# Altium PCB PCB.pcbdoc
Units mm, origin at the board's own origin, x right, y up, seen from the top; angles counter-clockwise.
Board outline 280.87 x 238.64 mm, 2 copper layers (Top Layer, Bottom Layer); 57 components, 45 nets, 129 pads, 6 vias.
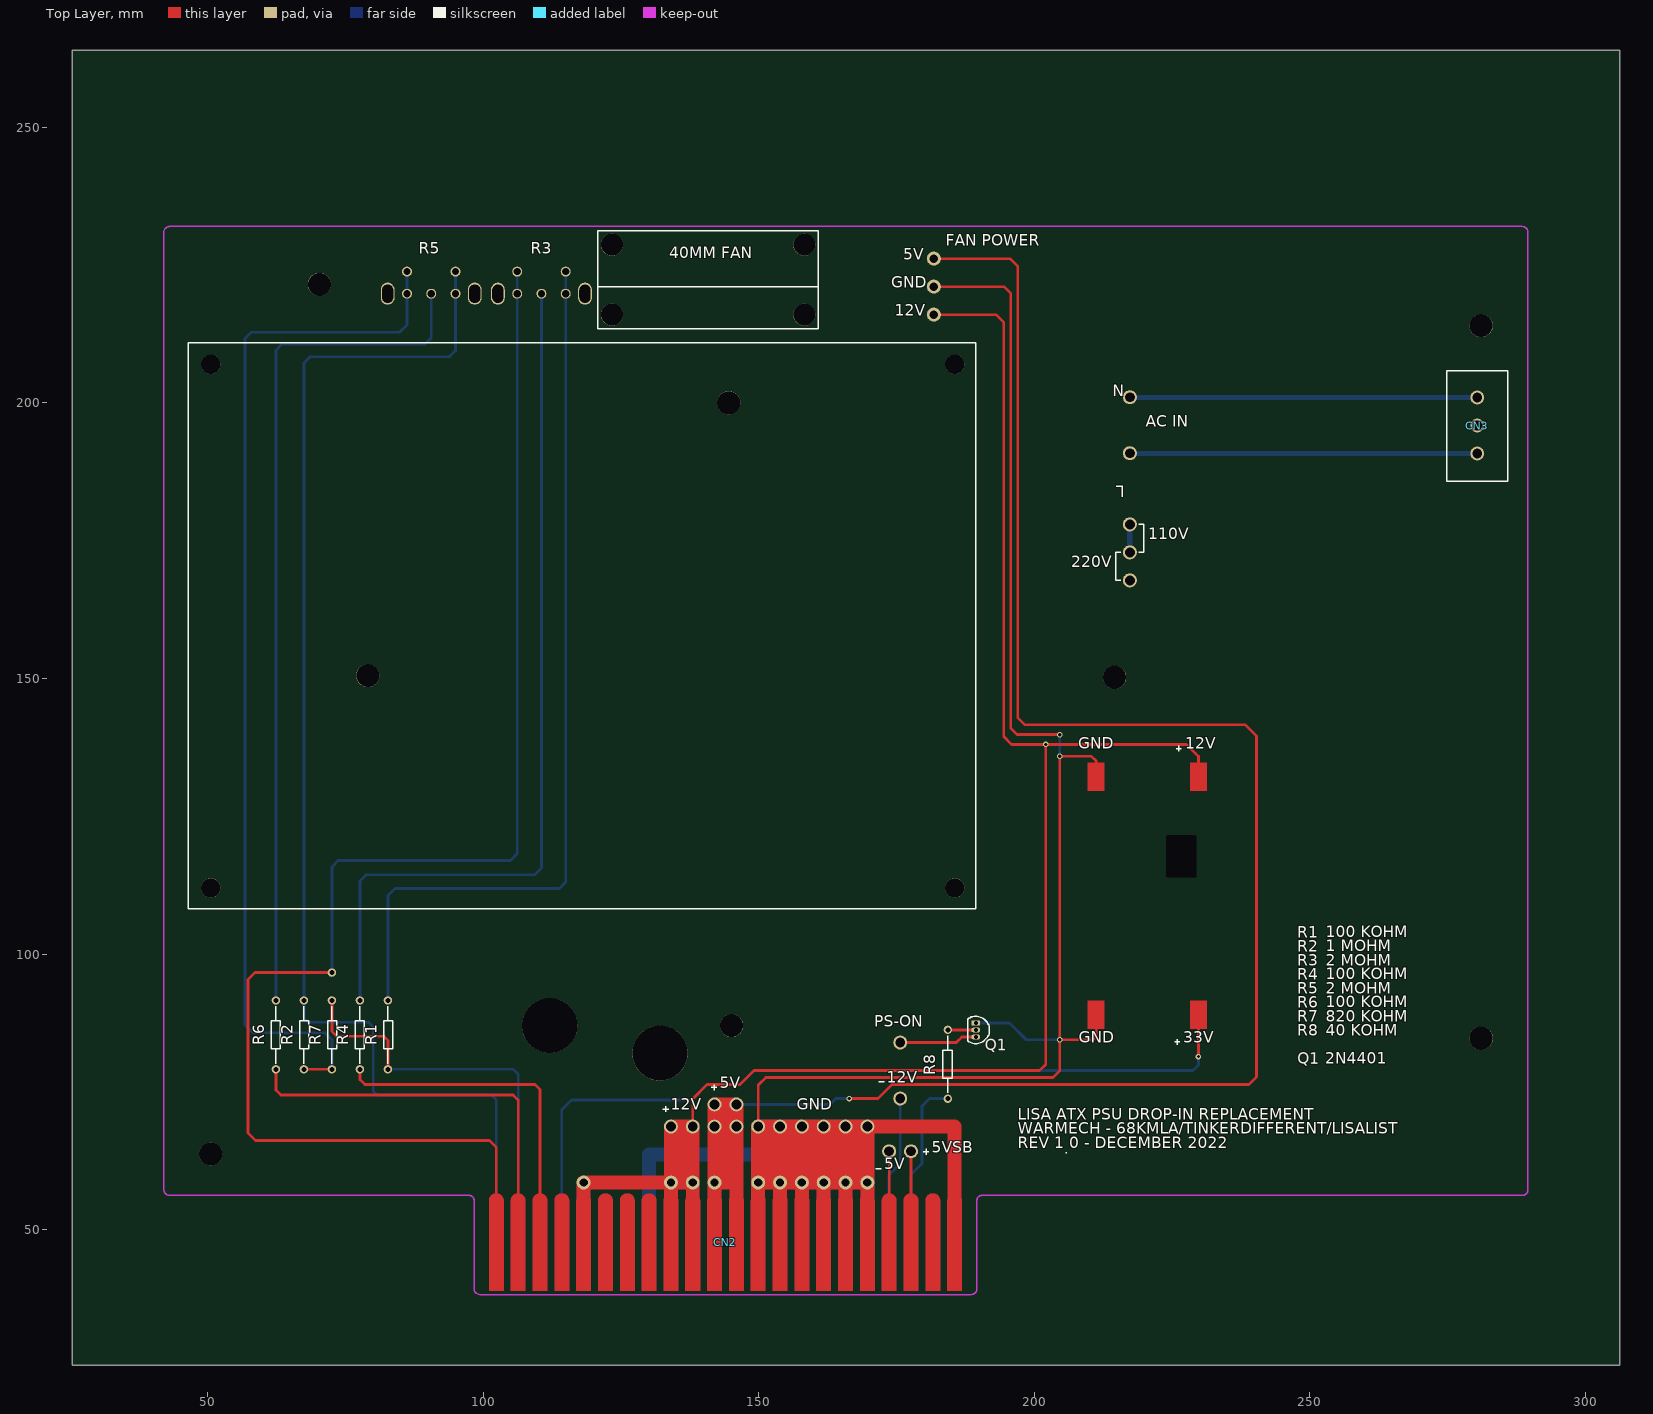
[diagram p0: Top Layer view]
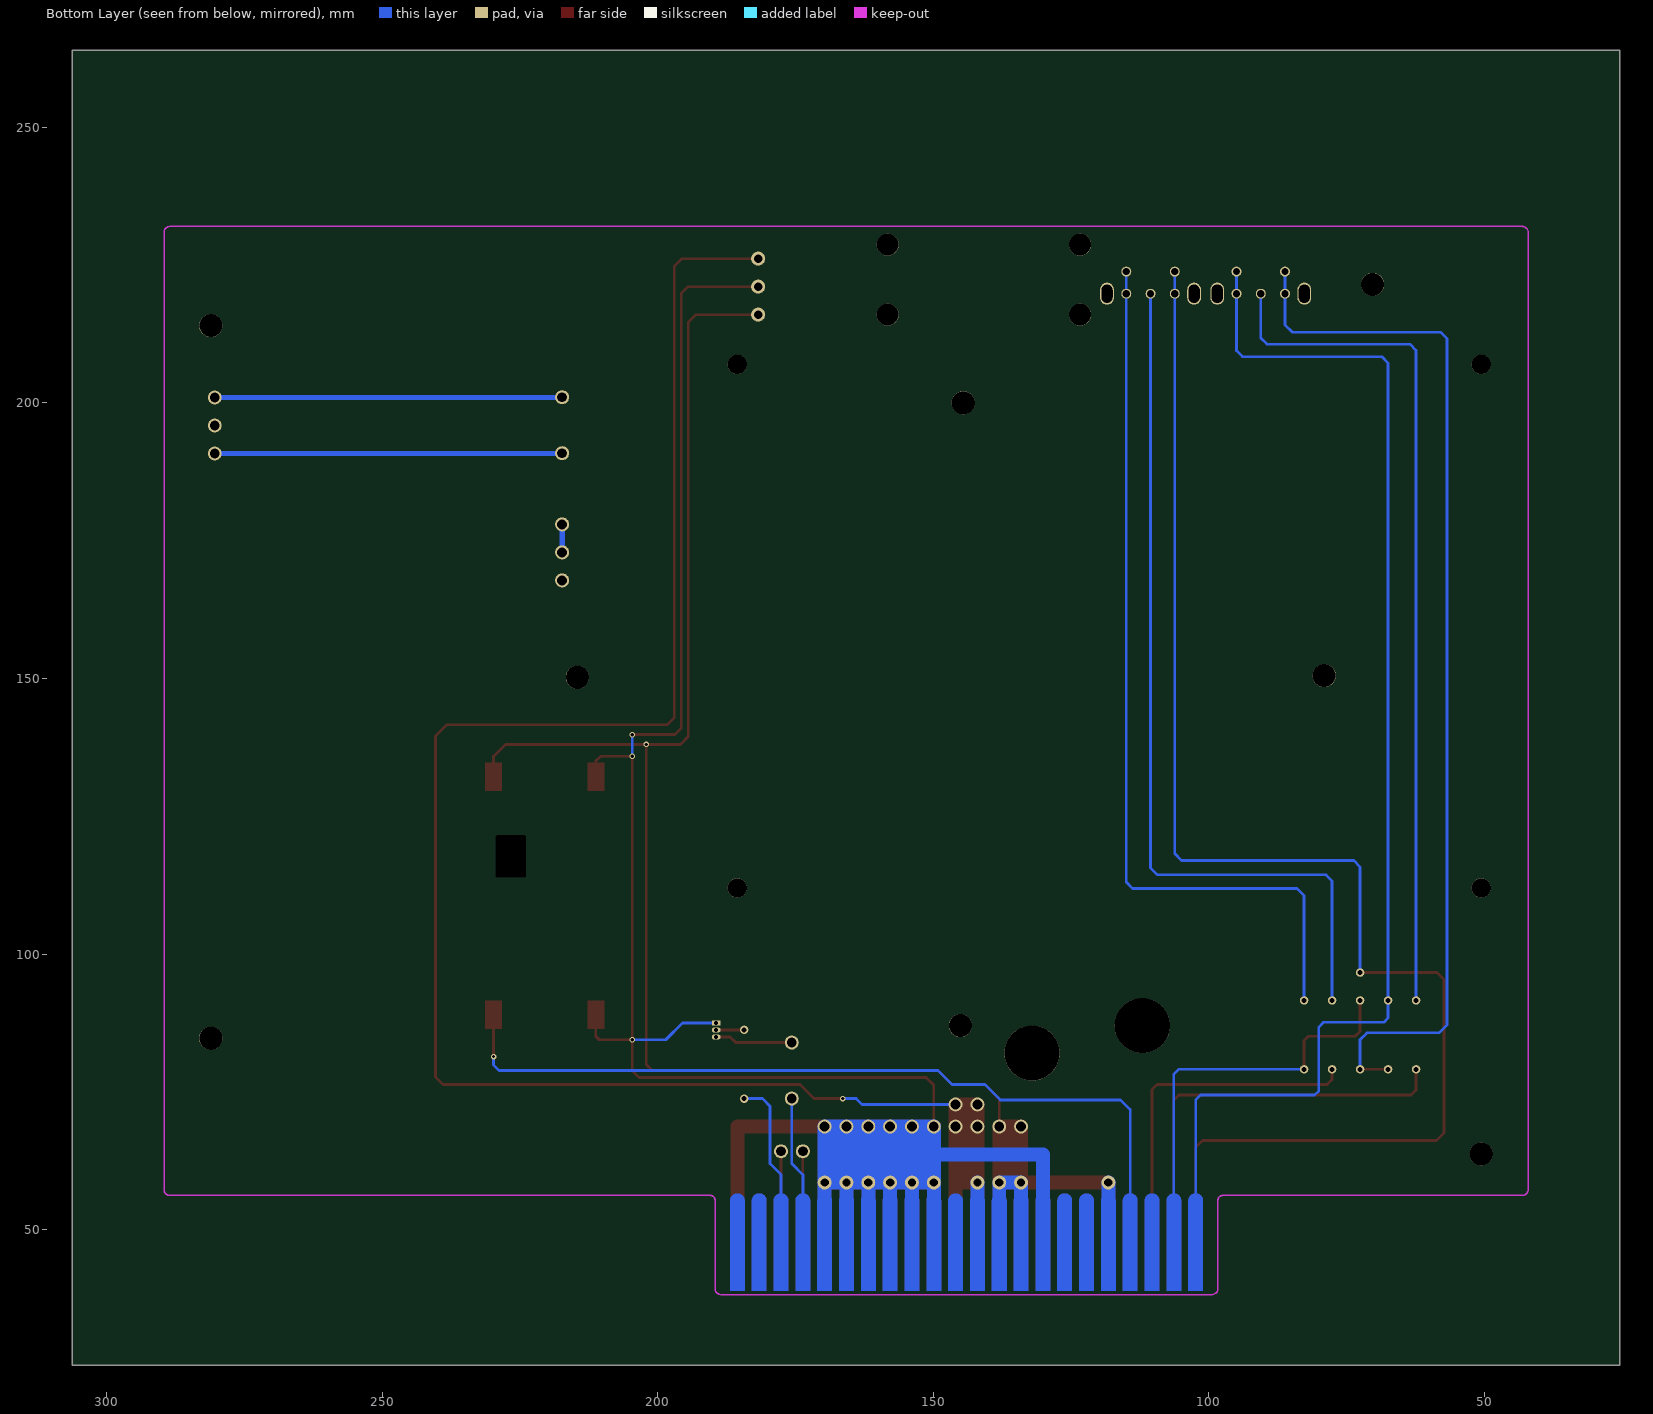
[diagram p1: Bottom Layer view, seen from below]

## Layer stack, top to bottom
Top Layer: signal copper (thickness not stored)
Dielectric: dielectric 0.32, FR-4, Dk 4.8
Bottom Layer: signal copper (thickness not stored)

## Board outline
306.273,25.4 25.4,25.4 25.4,264.043 306.273,264.043
cut-out: 229.396,114.173 cw(c229.146,114.173) 229.146,113.923 224.193,113.923 cw(c224.193,114.173) 223.943,114.173 223.943,121.285 cw(c224.193,121.285) 224.193,121.535 229.146,121.535 cw(c229.146,121.285) 229.396,121.285 229.396,114.173

## Components (designator, comment, footprint, x,y, rotation, side; value= is the part's Value field where it differs from the comment)
CN2 "EDGE CONNECTOR" LISA_PSU_EDGE_CONNECTOR 101.07,38.927 r0 top
CN3 "AC IN" LISA_PSU_AC_IN 280.375,195.907 r90 top
Q1 "2N4401" TO-92-3_L4.9-W3.7-P1.27-L 189.395,86.233 r270 top
R1 "100K" LISA_RESISTOR 82.715,85.344 r270 top
R2 "1M" LISA_RESISTOR 67.475,85.344 r270 top
R3 "FOCUS" LISA_CRT_POT 110.576,221.826 r0 top
R4 "100K" LISA_RESISTOR 77.635,85.344 r90 top
R5 "BRIGHT" LISA_CRT_POT 90.574,221.826 r0 top
R6 "100K" LISA_RESISTOR 62.395,85.344 r90 top
R7 "820K" LISA_RESISTOR 72.555,85.344 r270 top
R8 "40K" LISA_RESISTOR 184.315,80.01 r90 top
? "" ? 56.175,227.788 r0 top
? "" ? 75.089,226.779 r0 top
? "" ? 93.325,216.054 r0 top
? "" ? 149.134,216.029 r0 top
? "" ? 251.971,169.456 r0 top
? "" ? 217.464,191.129 r0 top
? "" ? 285.349,224.385 r0 top
? "" ? 275.107,223.029 r0 top
? "" ? 81.501,191.279 r0 top
? "" ? 60.575,147.222 r0 top
? "" ? 46.325,63.901 r0 top
? "" ? 55.751,60.011 r0 top
? "" ? 285.349,64.146 r0 top
? "" ? 277.119,70.511 r0 top
? "" ? 185.121,159.529 r0 top
? "" ? 93.575,84.758 r0 top
? "" ? 87.075,80.072 r0 top
? "" ? 77.075,89.228 r0 top
? "" ? 135.002,157.029 r0 top
? "" ? 130.299,159.529 r0 top
? "" ? 86.756,227.929 r0 top
? "" ? 66.325,224.154 r0 top
? "" ? 76.325,221.454 r0 top
? "" ? 59.398,69.469 r0 top
? "" ? 155.187,219.529 r0 top
? "" ? 216.804,110.707 r0 top
? "" ? 220.465,130.072 r0 top
? "" ? 236.198,128.956 r0 top
? "" ? 229.928,119.323 r0 top
? "" ? 213.954,92.404 r0 top
? "" ? 210.965,99.379 r0 top
? "" ? 241.516,126.706 r0 top
? "" ? 245.263,123.207 r0 top
? "" ? 230.177,111.089 r0 top
? "" ? 227.678,108.883 r0 top
? "" ? 134.713,226.03 r0 top
? "" ? 140.815,219.975 r0 top
? "" ? 119.662,216.058 r0 top
? "" ? 125.815,226.168 r0 top
? "" ? 155.82,225.543 r0 top
? "" ? 136.59,228.529 r0 top
? "" ? 126.428,231.139 r0 top
? "" ? 120.942,237.834 r0 top
? "" ? 160.693,234.403 r0 top
? "" ? 122.191,240.327 r0 top
? "" ? 117.071,228.642 r0 top

## Footprints (in the part's own frame and the unit in brackets; to place one, negate y for a bottom-side part, rotate by r counter-clockwise, add the part's x,y. Pads: shape width x height; smd on the part's side, far side on the other; paste and mask are expansions set on the pad)
LISA_CRT_POT [mm]
  round 1.8 hole 1.3: 1(-4.4,2) 2(0,-2) 3(4.4,2)
LISA_PSU_AC_IN [mm]
  round 2.5 hole 1.8: 1(-5.08,0) 2(0,0) 3(5.08,0)
LISA_PSU_EDGE_CONNECTOR [mm]
  round 0 smd: 1(1.32,8.81) 2(5.28,8.81) 3(9.24,8.81) 4(13.2,8.81) 5(17.16,8.81) 6(21.12,8.81) 7(25.08,8.81) 8(29.04,8.81) 9(33,8.81) 10(36.96,8.81) 11(40.92,8.81) 12(44.88,8.81) 13(48.84,8.81) 14(52.8,8.81) 15(56.76,8.81) 16(60.72,8.81) 17(64.68,8.81) 18(68.64,8.81) 19(72.6,8.81) 20(76.56,8.81) 21(80.52,8.81) 22(84.48,8.81)
  round 0 smd far side: A(1.32,8.81) B(5.28,8.81) C(9.24,8.81) D(13.2,8.81) E(17.16,8.81) F(21.12,8.81) H(25.08,8.81) J(29.04,8.81) K(33,8.81) L(36.96,8.81) M(40.92,8.81) N(44.88,8.81) P(48.84,8.81) R(52.8,8.81) S(56.76,8.81) T(60.72,8.81) U(64.68,8.81) V(68.64,8.81) W(72.6,8.81) X(76.56,8.81) Y(80.52,8.81) Z(84.48,8.81)
  Top Layer region: 338 vertices and 0 holes, not listed, extent 3.96,0 6.6,17.62
  Top Layer region: 338 vertices and 0 holes, not listed, extent 0,0 2.64,17.62
  Top Layer region: 338 vertices and 0 holes, not listed, extent 7.92,0 10.56,17.62
  Top Layer region: 338 vertices and 0 holes, not listed, extent 11.88,0 14.52,17.62
  Top Layer region: 338 vertices and 0 holes, not listed, extent 15.84,0 18.48,17.62
  Top Layer region: 338 vertices and 0 holes, not listed, extent 19.8,0 22.44,17.62
  Top Layer region: 338 vertices and 0 holes, not listed, extent 23.76,0 26.4,17.62
  Top Layer region: 338 vertices and 0 holes, not listed, extent 27.72,0 30.36,17.62
  Top Layer region: 338 vertices and 0 holes, not listed, extent 31.68,0 34.32,17.62
  Top Layer region: 338 vertices and 0 holes, not listed, extent 35.64,0 38.28,17.62
  Top Layer region: 338 vertices and 0 holes, not listed, extent 39.6,0 42.24,17.62
  Top Layer region: 338 vertices and 0 holes, not listed, extent 43.56,0 46.2,17.62
  Top Layer region: 338 vertices and 0 holes, not listed, extent 47.52,0 50.16,17.62
  Top Layer region: 338 vertices and 0 holes, not listed, extent 51.48,0 54.12,17.62
  Top Layer region: 338 vertices and 0 holes, not listed, extent 55.44,0 58.08,17.62
  Top Layer region: 338 vertices and 0 holes, not listed, extent 59.4,0 62.04,17.62
  Top Layer region: 338 vertices and 0 holes, not listed, extent 63.36,0 66,17.62
  Top Layer region: 338 vertices and 0 holes, not listed, extent 67.32,0 69.96,17.62
  Top Layer region: 338 vertices and 0 holes, not listed, extent 71.28,0 73.92,17.62
  Top Layer region: 338 vertices and 0 holes, not listed, extent 75.24,0 77.88,17.62
  Top Layer region: 338 vertices and 0 holes, not listed, extent 79.2,0 81.84,17.62
  Top Layer region: 338 vertices and 0 holes, not listed, extent 83.16,0 85.8,17.62
  Bottom Layer region: 338 vertices and 0 holes, not listed, extent 83.16,0 85.8,17.62
  Bottom Layer region: 338 vertices and 0 holes, not listed, extent 79.2,0 81.84,17.62
  Bottom Layer region: 338 vertices and 0 holes, not listed, extent 75.24,0 77.88,17.62
  Bottom Layer region: 338 vertices and 0 holes, not listed, extent 71.28,0 73.92,17.62
  Bottom Layer region: 338 vertices and 0 holes, not listed, extent 67.32,0 69.96,17.62
  Bottom Layer region: 338 vertices and 0 holes, not listed, extent 63.36,0 66,17.62
  Bottom Layer region: 338 vertices and 0 holes, not listed, extent 59.4,0 62.04,17.62
  Bottom Layer region: 338 vertices and 0 holes, not listed, extent 55.44,0 58.08,17.62
  Bottom Layer region: 338 vertices and 0 holes, not listed, extent 51.48,0 54.12,17.62
  Bottom Layer region: 338 vertices and 0 holes, not listed, extent 47.52,0 50.16,17.62
  Bottom Layer region: 338 vertices and 0 holes, not listed, extent 43.56,0 46.2,17.62
  Bottom Layer region: 338 vertices and 0 holes, not listed, extent 39.6,0 42.24,17.62
  Bottom Layer region: 338 vertices and 0 holes, not listed, extent 35.64,0 38.28,17.62
  Bottom Layer region: 338 vertices and 0 holes, not listed, extent 31.68,0 34.32,17.62
  Bottom Layer region: 338 vertices and 0 holes, not listed, extent 27.72,0 30.36,17.62
  Bottom Layer region: 338 vertices and 0 holes, not listed, extent 23.76,0 26.4,17.62
  Bottom Layer region: 338 vertices and 0 holes, not listed, extent 19.8,0 22.44,17.62
  Bottom Layer region: 338 vertices and 0 holes, not listed, extent 15.84,0 18.48,17.62
  Bottom Layer region: 338 vertices and 0 holes, not listed, extent 11.88,0 14.52,17.62
  Bottom Layer region: 338 vertices and 0 holes, not listed, extent 7.92,0 10.56,17.62
  Bottom Layer region: 338 vertices and 0 holes, not listed, extent 0,0 2.64,17.62
  Bottom Layer region: 338 vertices and 0 holes, not listed, extent 3.96,0 6.6,17.62
LISA_RESISTOR [mil]
  round 60 hole 36: 1(-246.06,0) 2(246.06,0)
  silkscreen extent -205,-30 205,35
TO-92-3_L4.9-W3.7-P1.27-L [mm]
  rect 0.9x1.6 hole 0.7: 1(-1.27,0)
  oval 0.9x1.6 hole 0.7: 2(0,0) 3(1.27,0)
  silkscreen extent -2.48,-1.5 2.48,2.48
? [mm]

## Free pads (board coordinates)
  round 1.524 hole 0.914: 1(72.555,96.647)
  round 1.8 hole 1.3: 1(86.174,219.826) 1(106.176,219.826) 3(94.974,219.826) 3(114.976,219.826)
  round 2.54 hole 1.8: 1(134.07,68.707) 1(138.03,68.707) 1(141.99,68.707) 1(141.99,72.727) 1(145.95,68.707) 1(145.95,72.727) 1(149.91,68.707) 1(153.87,68.707) 1(157.83,68.707) 1(161.79,68.707) 1(165.75,68.707) 1(169.71,68.707) 1(173.67,64.227) 1(175.679,73.787) 1(177.63,64.227) 1(217.335,190.881) 1(217.335,201.041) 1(217.335,167.821) 1(217.335,172.901) 1(217.335,177.981) 14(175.679,83.947)
  round 2.54 hole 1.5: 1(181.775,216.027) 1(181.775,221.107) 1(181.775,226.187) 16(141.99,58.547) 17(138.03,58.547) 18(134.07,58.547) 20(118.23,58.547) 22(149.91,58.547) 23(153.87,58.547) 24(157.83,58.547) 25(161.79,58.547) 26(165.75,58.547) 27(169.71,58.547)
  oval 2.5x4 hole 2 slot 3.3 at 90 deg: 28(118.476,219.826) 29(102.676,219.826) 30(98.474,219.826) 31(82.674,219.826)
  round 4.2 hole 4.2 unplated: ""(50.575,63.727) ""(70.275,221.527) ""(79.075,150.527) ""(144.575,200.027) ""(145.075,87.027) ""(214.575,150.227) ""(281.075,84.727) ""(281.075,214.027)
  round 3.5 hole 3.5 unplated: ""(50.585,112.01) ""(50.585,207.01) ""(185.585,112.01) ""(185.585,207.01)
  round 10 hole 10 unplated: ""(112.075,87.027) ""(132.075,82.027)
  round 4 hole 4 unplated: ""(123.355,216.027) ""(123.355,228.727) ""(158.28,216.027) ""(158.28,228.727)

## Via types
v1: diameter 1, hole 0.6, Top Layer to Bottom Layer, tented both sides, 6 vias

## Nets (pads, with @x,y where several pads share a name; then routed paths per layer and width w, separated by ;. In a path a pad name is that pad's centre, name@x,y a point inside that pad or via, vN(x,y) a via of type N, cw(c..) or ccw(c..) an arc to the next point about the centre after c; other vN are vias at no path point)
115: pad.1@217.335,172.901 pad.1@217.335,177.981 | length 5.1
  Bottom Layer w1: pad.1@217.335,172.901 pad.1@217.335,177.981
230: pad.1@217.335,167.821
+5V: CN2.11 CN2.12 CN2.M pad.1@141.99,68.707 pad.1@141.99,72.727 pad.1@145.95,68.707 pad.1@145.95,72.727 pad.1@181.775,226.187 pad.16 | length 369.4
  Top Layer w0.5: v1(166.408,73.787) 171.615,73.787 174.155,76.327 190.157,76.327 238.925,76.327 240.322,77.724 240.322,139.573 238.29,141.605 198.285,141.605 197.015,142.875 197.015,224.79 195.618,226.187 pad.1@181.775,226.187
  Top Layer w2.54: CN2.11 pad.16 ; CN2.12 145.95,58.547 ; pad.16 145.95,58.547 ; pad.16 141.99,68.707 141.99,72.727 145.95,72.727 145.95,68.707 145.95,58.547
  Bottom Layer w0.5: pad.1@145.951,72.728 162.936,72.728 163.995,73.787 v1(166.408,73.787)
  Bottom Layer w2.54: CN2.M pad.16
+5VSB: CN2.20 pad.1@177.63,64.227 | length 16.5
  Top Layer w0.5: CN2.20 pad.1@177.63,64.227
+12V: CN2.5 CN2.9 CN2.10 CN2.E CN2.K CN2.L pad.1@134.07,68.707 pad.1@138.03,68.707 pad.1@181.775,216.027 pad.17 pad.18 pad.20 | length 370.4
  Top Layer w0.5: pad.1@138.029,68.707 138.029,73.729 140.627,76.327 146.596,76.327 149.136,78.867 200.952,78.867 202.095,80.01 v1(202.095,138.049) ; pad.1@181.775,216.027 193.078,216.027 194.475,214.63 194.475,139.446 195.872,138.049 v1(202.095,138.049) ; 229.781,133.35 229.781,135.89 227.622,138.049 v1(202.095,138.049)
  Top Layer w2.54: CN2.5 pad.20 128.435,58.547 pad.18 ; CN2.9 pad.18 ; CN2.10 pad.17 ; pad.18 pad.17 ; pad.18 134.07,68.707 138.03,68.707 pad.17
  Bottom Layer w2.54: CN2.E pad.20 ; CN2.K pad.18 pad.17 CN2.L
+33V: CN2.D | length 152.1
  Top Layer w0.5: v1(229.781,81.407) 229.781,89.027
  Bottom Layer w0.5: CN2.D 114.27,71.791 116.012,73.533 137.833,73.533 140.627,76.327 146.596,76.327 149.136,78.867 228.765,78.867 229.781,79.883 v1(229.781,81.407)
+300V: CN2.1 pad.1@72.555,96.647 pad.1@106.176,219.826 R3.1 | length 266.3
  Top Layer w0.5: pad.1@72.555,96.647 58.585,96.647 57.315,95.377 57.315,67.564 58.712,66.167 101.13,66.167 102.39,64.907 CN2.1
  Bottom Layer w0.5: pad.1@72.555,96.647 72.555,115.824 73.698,116.967 104.94,116.967 106.177,118.204 106.177,219.827 R3.1
-5V: CN2.19 pad.1@173.67,64.227 | length 16.5
  Top Layer w0.5: CN2.19 pad.1@173.67,64.227
-12V: CN2.W pad.1@175.679,73.787 | length 28
  Bottom Layer w0.5: CN2.W 173.647,59.944 175.679,61.976 175.679,73.787 pad.1@175.679,72.727
-100V: CN2.B R1.2 R7.1 | length 76.2
  Top Layer w0.5: R7.1 72.555,85.979 73.444,85.09 81.953,85.09 82.715,84.328 R1.2
  Bottom Layer w0.5: R1.2 105.476,79.093 106.35,78.219 CN2.B
BRIGHT: CN2.2 R6.1 | length 74.3
  Top Layer w0.5: R6.1 62.395,75.311 63.284,74.422 105.448,74.422 106.35,73.52 CN2.2
BRTRET: CN2.A pad.3@94.974,219.826 R2.1 R5.3 | length 235.3
  Bottom Layer w0.5: pad.3@94.973,219.827 94.973,209.489 93.891,208.407 68.618,208.407 67.475,207.264 R2.1 67.475,88.392 68.237,87.63 79.159,87.63 80.048,86.741 80.048,75.184 80.81,74.422 101.511,74.422 102.39,73.543 CN2.A ; pad.3@94.974,219.826 R5.3
FG: CN3.2
FOCUS: CN2.3 R4.1 | length 63
  Top Layer w0.5: R4.1 77.635,77.216 78.524,76.327 109.385,76.327 110.31,75.402 CN2.3
GND: CN2.13 CN2.14 CN2.15 CN2.16 CN2.17 CN2.18 CN2.22 CN2.J CN2.P CN2.R CN2.S CN2.T CN2.U CN2.V pad.1@149.91,68.707 pad.1@153.87,68.707 pad.1@157.83,68.707 pad.1@161.79,68.707 pad.1@165.75,68.707 pad.1@169.71,68.707 pad.1@181.775,221.107 pad.22 pad.23 pad.24 pad.25 pad.26 pad.27 Q1.1 | length 591.2
  Top Layer w0.5: pad.1@149.911,68.707 149.911,76.213 151.295,77.597 203.365,77.597 204.635,78.867 v1(204.635,135.89) 210.35,135.89 211.239,135.001 211.239,132.207 ; pad.1@181.775,221.107 194.475,221.107 195.745,219.837 195.745,140.97 196.888,139.827 v1(204.635,139.827) ; v1(204.635,84.455) 210.604,84.455 211.239,85.09 211.239,89.027
  Top Layer w2.54: CN2.13 pad.22 ; CN2.14 pad.23 ; CN2.15 pad.24 ; CN2.16 pad.25 ; CN2.17 pad.26 ; CN2.18 pad.27 ; CN2.22 185.55,58.547 185.55,68.707 pad.1@169.71,68.707 ; pad.22 pad.27 ; pad.22 149.91,68.707 pad.1@169.71,68.707 ; pad.27 pad.1@169.71,68.707
  Bottom Layer w0.5: Q1.1 195.491,87.503 198.539,84.455 v1(204.635,84.455) ; v1(204.635,135.89) v1(204.635,139.827)
  Bottom Layer w2.54: CN2.J 130.109,63.627 149.911,63.614 pad.22 ; CN2.P pad.22 ; CN2.R pad.23 ; CN2.S pad.24 ; CN2.T pad.25 ; CN2.U pad.26 ; CN2.V pad.27 ; pad.22 pad.27 ; pad.22 149.91,68.707 169.71,68.707 pad.27
LIVE: CN3.1 pad.1@217.335,190.881 | length 63
  Bottom Layer w1: pad.1@217.335,190.881 CN3.1
NEUTRAL: CN3.3 pad.1@217.335,201.041 | length 63
  Bottom Layer w1: pad.1@217.335,201.041 CN3.3
ON/OFF: CN2.X R8.1 | length 30.8
  Bottom Layer w0.5: CN2.X 177.63,59.995 179.616,61.976 179.616,71.121 179.616,72.39 181.013,73.787 184.288,73.787 R8.1
PS_ON: pad.14 Q1.3 | length 14.1
  Top Layer w0.5: pad.14 185.839,83.947 186.855,84.963 Q1.3
Q1_2: Q1.2 R8.2 | length 5.1
  Top Layer w0.5: R8.2 184.342,86.233 Q1.2
R1_1: pad.3@114.976,219.826 R1.1 R3.3 | length 163.1
  Bottom Layer w0.5: R1.1 82.715,110.617 83.985,111.887 113.83,111.887 114.976,113.033 114.976,219.827 R3.3
R4_2: R3.2 R4.2 | length 159.8
  Bottom Layer w0.5: R4.2 77.635,113.284 78.732,114.381 109.339,114.381 110.576,115.618 R3.2
R5_1: pad.1@86.174,219.826 R2.2 R5.1 R7.2 | length 191.9
  Top Layer w0.5: R2.2 R7.2
  Bottom Layer w0.5: R7.2 72.555,84.455 71.29,85.72 58.209,85.72 56.807,87.122 56.807,211.709 57.95,212.852 84.874,212.852 86.175,214.152 pad.1@86.175,219.827 ; pad.1@86.174,219.826 R5.1
R6_2: R5.2 R6.2 | length 155.1
  Bottom Layer w0.5: R6.2 62.395,209.55 63.52,210.675 89.428,210.675 90.574,211.821 R5.2
S$418: 
S$422: 
S$426: 
S$430: 
S$434: 
S$438: 
S$442: 
S$446: 
S$12035: 
S$12042: 
S$12357: 
S$12361: 
S$12371: 
S$12510: 
S$13252: 
S$13256: 
S$13313: 
S$13664: 
S$13668: 
S$13852: 
SENSE: CN2.N
pads on no net: CN2.4 CN2.6 CN2.7 CN2.8 CN2.21 CN2.C CN2.F CN2.H CN2.Y CN2.Z

## Keep-outs
Keep-Out Layer:
  lines w0.254: 42.075,57.227 ccw(c43.075,57.227) 43.075,56.227 ; 42.075,231.027 cw(c43.075,231.027) 43.075,232.027 ; 97.375,56.227 cw(c97.375,55.227) 98.375,55.227 ; 98.375,39.227 ccw(c99.375,39.227) 99.375,38.227 ; 188.575,38.227 ccw(c188.575,39.227) 189.575,39.227 ; 189.575,55.227 cw(c190.575,55.227) 190.575,56.227 ; 288.575,56.227 ccw(c288.575,57.227) 289.575,57.227 ; 288.575,232.027 cw(c288.575,231.027) 289.575,231.027

## Other copper
Top Layer:
  region net +12V: 138.03,58.547 134.023,58.547 134.023,68.707 138.03,68.707
  region net +5V: 141.99,72.727 141.99,58.547 145.95,58.547 145.95,72.727
  region net GND: 149.91,68.707 149.91,58.547 169.71,58.547 169.71,68.707
  region net GND: 209.715,134.747 209.715,129.667 212.715,129.667 212.715,134.747
  region net GND: 209.739,91.567 209.739,86.487 212.739,86.487 212.739,91.567
  region net +12V: 228.257,134.747 228.257,129.667 231.257,129.667 231.257,134.747
  region net +33V: 228.257,91.567 228.257,86.487 231.257,86.487 231.257,91.567
Bottom Layer:
  region net GND: 149.91,68.707 149.91,58.547 169.71,58.547 169.71,68.707

## Silkscreen, mask and mechanical layers (free items; w line width, h text height)
Top Overlay:
  lines w0.254: 46.52,108.204 189.395,108.204 189.395,210.947 46.52,210.947 46.52,108.204 ; 274.866,185.801 285.915,185.801 285.915,205.867 274.866,205.867 274.866,185.801
  lines w0.254 net S$12035: 225.527,84.074 226.416,84.074 ; 225.781,137.287 226.67,137.287
  lines w0.254 net S$12042: 225.971,83.566 225.971,84.582 ; 226.225,136.779 226.225,137.795
  lines w0.254 net S$12357: 120.815,219.202 120.815,231.267
  lines w0.254 net S$12361: 160.82,219.202 160.82,231.267
  lines w0.254 net S$12371: 120.815,219.202 120.815,213.487 160.82,213.487 160.82,219.202
  lines w0.254 net S$12510: 120.815,231.275 160.82,231.275
  lines w0.254 net S$13252: 218.986,172.901 219.875,172.901 219.875,177.981 218.986,177.981
  lines w0.254 net S$13256: 215.684,167.821 214.795,167.821 214.795,172.901 215.684,172.901
  lines w0.254 net S$13313: 120.815,221.105 160.82,221.105
  lines w0.254 net S$13664: 132.626,71.882 133.642,71.882 ; 141.389,75.819 142.405,75.819 ; 171.234,61.087 172.25,61.087 ; 171.742,76.835 172.758,76.835 ; 179.87,64.135 180.886,64.135
  lines w0.254 net S$13668: 133.134,71.374 133.134,72.39 ; 141.897,75.311 141.897,76.327 ; 180.378,63.627 180.378,64.643
  lines w0.254 net S$13852: 205.778,63.881 205.778,64.008
  text "FAN POWER" at 183.934,227.838 h3.5
  text "40MM FAN" at 133.769,225.552 h3.5
  text "5V" at 176.187,225.298 h3.5
  text "GND" at 174.028,220.218 h3.5
  text "12V" at 174.663,215.138 h3.5
  text "N" at 216.319,204.016 h3.5 r180
  text "AC IN" at 220.256,194.999 h3.5
  text "L" at 216.446,185.728 h3.5 r180
  text "110V" at 220.637,174.552 h3.5
  text "220V" at 206.667,169.472 h3.5
  text "GND" at 207.937,136.525 h3.5
  text "12V" at 227.368,136.525 h3.5
  text "100 KOHM" at 252.895,102.362 h3.5
  text "R1" at 247.688,102.235 h3.5
  text "1 MOHM" at 252.895,99.822 h3.5
  text "R2" at 247.688,99.695 h3.5
  text "R3" at 247.688,97.155 h3.5
  text "2 MOHM" at 252.895,97.155 h3.5
  text "100 KOHM" at 252.895,94.742 h3.5
  text "R4" at 247.688,94.615 h3.5
  text "R5" at 247.688,92.075 h3.5
  text "2 MOHM" at 252.895,92.075 h3.5
  text "100 KOHM" at 252.895,89.662 h3.5
  text "R6" at 247.688,89.535 h3.5
  text "R7" at 247.688,86.995 h3.5
  text "820 KOHM" at 252.895,86.995 h3.5
  text "PS-ON" at 170.98,86.106 h3.5
  text "R8" at 247.688,84.455 h3.5
  text "40 KOHM" at 252.895,84.455 h3.5
  text "GND" at 208.064,83.185 h3.5
  text "33V" at 226.987,83.185 h3.5
  text "Q1" at 247.688,79.375 h3.5 r359
  text "2N4401" at 252.768,79.375 h3.5
  text "12V" at 173.266,75.946 h3.5
  text "5V" at 142.913,74.93 h3.5
  text "12V" at 134.023,70.993 h3.5
  text "GND" at 156.883,70.993 h3.5
  text "LISA ATX PSU DROP-IN REPLACEMENT" at 197.015,69.215 h3.5
  text "WARMECH - 68KMLA/TINKERDIFFERENT/LISALIST" at 197.015,66.675 h3.5
  text "REV 1 0 - DECEMBER 2022" at 197.015,64.008 h3.5
  text "5VSB" at 181.394,63.246 h3.5
  text "5V" at 172.758,60.198 h3.5
Top Solder:
  region net +12V: 228.257,134.747 228.257,129.667 231.257,129.667 231.257,134.747
  region net GND: 209.715,134.747 209.715,129.667 212.715,129.667 212.715,134.747
  region net GND: 209.739,91.567 209.739,86.487 212.739,86.487 212.739,91.567
  region net +33V: 228.257,91.567 228.257,86.487 231.257,86.487 231.257,91.567